# KiCad board panel.kicad_pcb
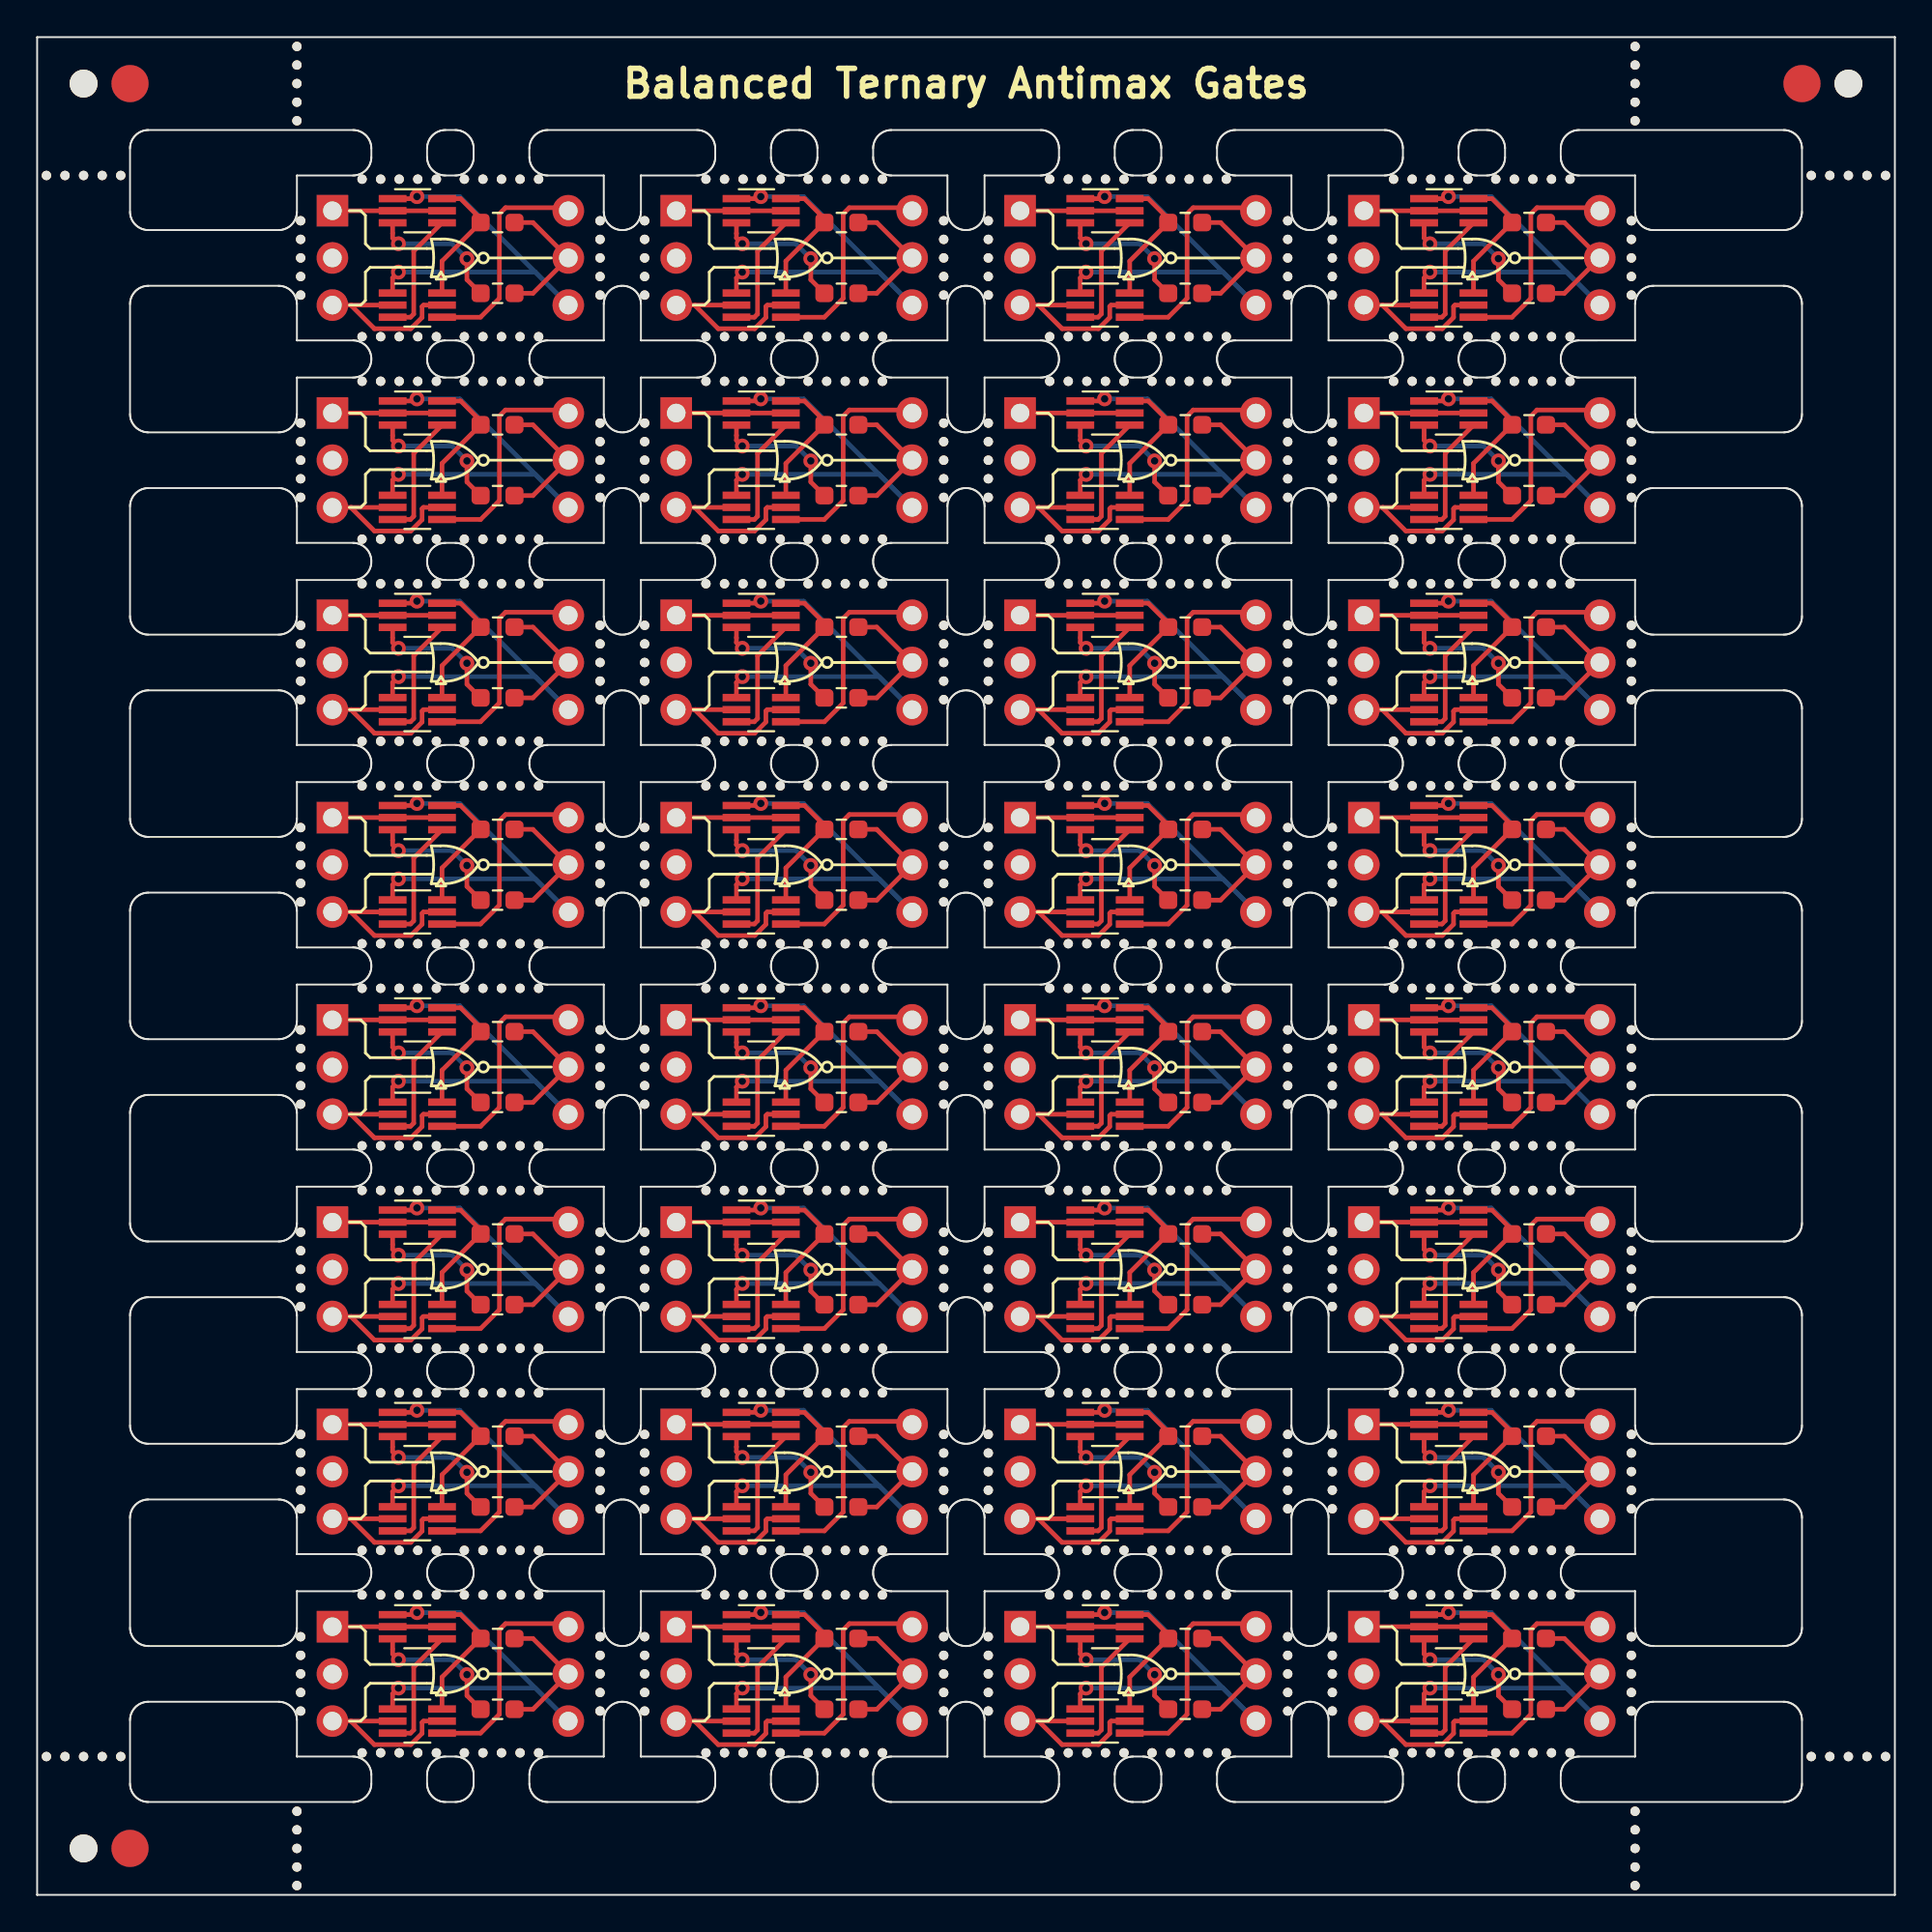
[diagram p0: board, top side]
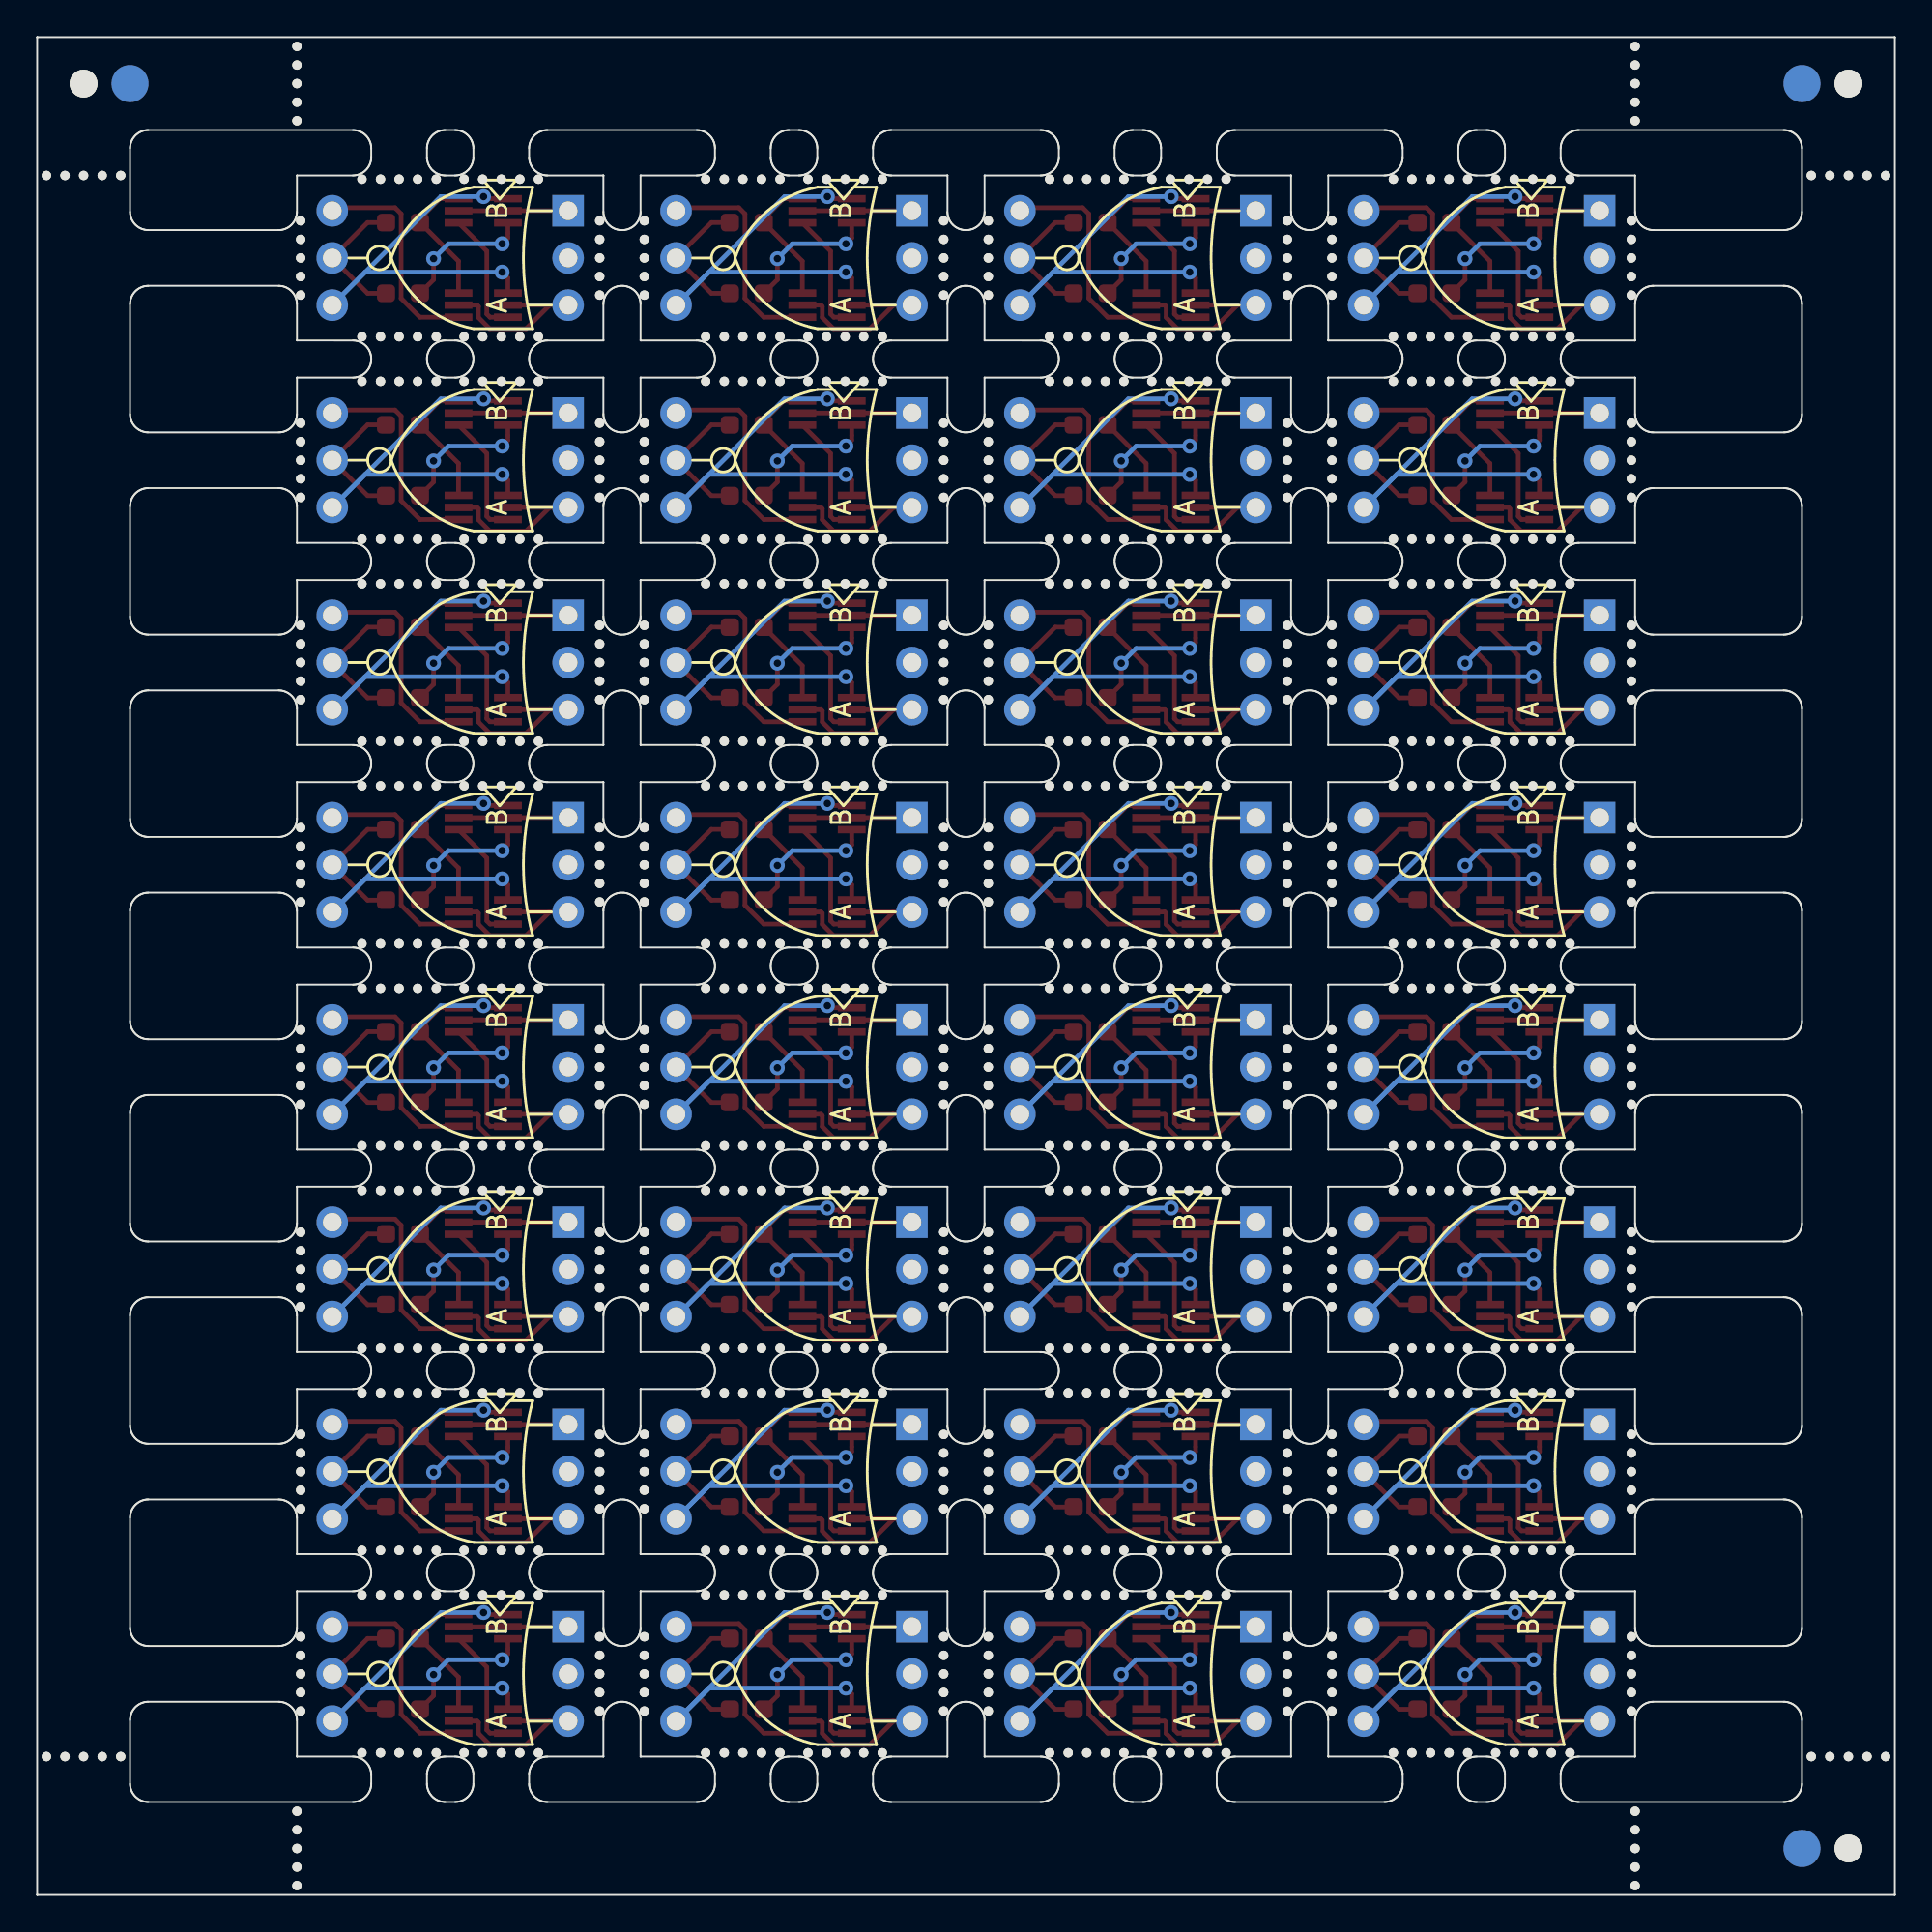
[diagram p1: board, bottom side, seen from below]

Outline 100.01 x 100.01 mm; copper layers: Top, Bottom. Coordinates in mm from the lower left corner of the outline.

## Placement (name value [footprint] x y rotation side)
J1  Conn_01x03  [PinHeader_1x03_P2.54mm_Vertical_NoSilkscreen#2]  71.42 68.89 0 top
J1#2  Conn_01x03  [PinHeader_1x03_P2.54mm_Vertical_NoSilkscreen#2]  15.89 25.33 0 top
J1#3  Conn_01x03  [PinHeader_1x03_P2.54mm_Vertical_NoSilkscreen#2]  52.92 90.67 0 top
J1#4  Conn_01x03  [PinHeader_1x03_P2.54mm_Vertical_NoSilkscreen#2]  52.92 25.33 0 top
J1#5  Conn_01x03  [PinHeader_1x03_P2.54mm_Vertical_NoSilkscreen#2]  71.42 25.33 0 top
J1#6  Conn_01x03  [PinHeader_1x03_P2.54mm_Vertical_NoSilkscreen#2]  71.42 47.11 0 top
J1#7  Conn_01x03  [PinHeader_1x03_P2.54mm_Vertical_NoSilkscreen#2]  34.41 90.67 0 top
J1#8  Conn_01x03  [PinHeader_1x03_P2.54mm_Vertical_NoSilkscreen#2]  71.42 14.44 0 top
J1#9  Conn_01x03  [PinHeader_1x03_P2.54mm_Vertical_NoSilkscreen#2]  52.92 14.44 0 top
J1#10  Conn_01x03  [PinHeader_1x03_P2.54mm_Vertical_NoSilkscreen#2]  71.42 58 0 top
J1#11  Conn_01x03  [PinHeader_1x03_P2.54mm_Vertical_NoSilkscreen#2]  52.92 58 0 top
J1#12  Conn_01x03  [PinHeader_1x03_P2.54mm_Vertical_NoSilkscreen#2]  34.41 25.33 0 top
J1#13  Conn_01x03  [PinHeader_1x03_P2.54mm_Vertical_NoSilkscreen#2]  15.89 14.44 0 top
J1#14  Conn_01x03  [PinHeader_1x03_P2.54mm_Vertical_NoSilkscreen#2]  34.41 47.11 0 top
J1#15  Conn_01x03  [PinHeader_1x03_P2.54mm_Vertical_NoSilkscreen#2]  15.89 47.11 0 top
J1#16  Conn_01x03  [PinHeader_1x03_P2.54mm_Vertical_NoSilkscreen#2]  15.89 90.67 0 top
J1#17  Conn_01x03  [PinHeader_1x03_P2.54mm_Vertical_NoSilkscreen#2]  71.42 36.22 0 top
J1#18  Conn_01x03  [PinHeader_1x03_P2.54mm_Vertical_NoSilkscreen#2]  15.89 79.78 0 top
J1#19  Conn_01x03  [PinHeader_1x03_P2.54mm_Vertical_NoSilkscreen#2]  34.41 68.89 0 top
J1#20  Conn_01x03  [PinHeader_1x03_P2.54mm_Vertical_NoSilkscreen#2]  34.41 58 0 top
J1#21  Conn_01x03  [PinHeader_1x03_P2.54mm_Vertical_NoSilkscreen#2]  15.89 36.22 0 top
J1#22  Conn_01x03  [PinHeader_1x03_P2.54mm_Vertical_NoSilkscreen#2]  34.41 36.22 0 top
J1#23  Conn_01x03  [PinHeader_1x03_P2.54mm_Vertical_NoSilkscreen#2]  52.92 47.11 0 top
J1#24  Conn_01x03  [PinHeader_1x03_P2.54mm_Vertical_NoSilkscreen#2]  52.92 36.22 0 top
J1#25  Conn_01x03  [PinHeader_1x03_P2.54mm_Vertical_NoSilkscreen#2]  34.41 79.78 0 top
J1#26  Conn_01x03  [PinHeader_1x03_P2.54mm_Vertical_NoSilkscreen#2]  52.92 68.89 0 top
J1#27  Conn_01x03  [PinHeader_1x03_P2.54mm_Vertical_NoSilkscreen#2]  15.89 58 0 top
J1#28  Conn_01x03  [PinHeader_1x03_P2.54mm_Vertical_NoSilkscreen#2]  71.42 90.67 0 top
J1#29  Conn_01x03  [PinHeader_1x03_P2.54mm_Vertical_NoSilkscreen#2]  34.41 14.44 0 top
J1#30  Conn_01x03  [PinHeader_1x03_P2.54mm_Vertical_NoSilkscreen#2]  71.42 79.78 0 top
J1#31  Conn_01x03  [PinHeader_1x03_P2.54mm_Vertical_NoSilkscreen#2]  15.89 68.89 0 top
J1#32  Conn_01x03  [PinHeader_1x03_P2.54mm_Vertical_NoSilkscreen#2]  52.92 79.78 0 top
J2  Conn_01x03  [PinHeader_1x03_P2.54mm_Vertical_NoSilkscreen]  28.59 14.44 0 top
J2#2  Conn_01x03  [PinHeader_1x03_P2.54mm_Vertical_NoSilkscreen]  84.12 79.78 0 top
J2#3  Conn_01x03  [PinHeader_1x03_P2.54mm_Vertical_NoSilkscreen]  65.61 47.11 0 top
J2#4  Conn_01x03  [PinHeader_1x03_P2.54mm_Vertical_NoSilkscreen]  28.59 79.78 0 top
J2#5  Conn_01x03  [PinHeader_1x03_P2.54mm_Vertical_NoSilkscreen]  47.1 90.67 0 top
J2#6  Conn_01x03  [PinHeader_1x03_P2.54mm_Vertical_NoSilkscreen]  47.1 25.33 0 top
J2#7  Conn_01x03  [PinHeader_1x03_P2.54mm_Vertical_NoSilkscreen]  47.1 79.78 0 top
J2#8  Conn_01x03  [PinHeader_1x03_P2.54mm_Vertical_NoSilkscreen]  65.61 14.44 0 top
J2#9  Conn_01x03  [PinHeader_1x03_P2.54mm_Vertical_NoSilkscreen]  47.1 68.89 0 top
J2#10  Conn_01x03  [PinHeader_1x03_P2.54mm_Vertical_NoSilkscreen]  47.1 47.11 0 top
J2#11  Conn_01x03  [PinHeader_1x03_P2.54mm_Vertical_NoSilkscreen]  47.1 58 0 top
J2#12  Conn_01x03  [PinHeader_1x03_P2.54mm_Vertical_NoSilkscreen]  28.59 68.89 0 top
J2#13  Conn_01x03  [PinHeader_1x03_P2.54mm_Vertical_NoSilkscreen]  28.59 58 0 top
J2#14  Conn_01x03  [PinHeader_1x03_P2.54mm_Vertical_NoSilkscreen]  84.12 36.22 0 top
J2#15  Conn_01x03  [PinHeader_1x03_P2.54mm_Vertical_NoSilkscreen]  65.61 25.33 0 top
J2#16  Conn_01x03  [PinHeader_1x03_P2.54mm_Vertical_NoSilkscreen]  65.61 36.22 0 top
J2#17  Conn_01x03  [PinHeader_1x03_P2.54mm_Vertical_NoSilkscreen]  28.59 47.11 0 top
J2#18  Conn_01x03  [PinHeader_1x03_P2.54mm_Vertical_NoSilkscreen]  28.59 36.22 0 top
J2#19  Conn_01x03  [PinHeader_1x03_P2.54mm_Vertical_NoSilkscreen]  84.12 14.44 0 top
J2#20  Conn_01x03  [PinHeader_1x03_P2.54mm_Vertical_NoSilkscreen]  84.12 47.11 0 top
J2#21  Conn_01x03  [PinHeader_1x03_P2.54mm_Vertical_NoSilkscreen]  84.12 90.67 0 top
J2#22  Conn_01x03  [PinHeader_1x03_P2.54mm_Vertical_NoSilkscreen]  47.1 36.22 0 top
J2#23  Conn_01x03  [PinHeader_1x03_P2.54mm_Vertical_NoSilkscreen]  47.1 14.44 0 top
J2#24  Conn_01x03  [PinHeader_1x03_P2.54mm_Vertical_NoSilkscreen]  65.61 68.89 0 top
J2#25  Conn_01x03  [PinHeader_1x03_P2.54mm_Vertical_NoSilkscreen]  28.59 90.67 0 top
J2#26  Conn_01x03  [PinHeader_1x03_P2.54mm_Vertical_NoSilkscreen]  28.59 25.33 0 top
J2#27  Conn_01x03  [PinHeader_1x03_P2.54mm_Vertical_NoSilkscreen]  84.12 25.33 0 top
J2#28  Conn_01x03  [PinHeader_1x03_P2.54mm_Vertical_NoSilkscreen]  84.12 68.89 0 top
J2#29  Conn_01x03  [PinHeader_1x03_P2.54mm_Vertical_NoSilkscreen]  84.12 58 0 top
J2#30  Conn_01x03  [PinHeader_1x03_P2.54mm_Vertical_NoSilkscreen]  65.61 79.78 0 top
J2#31  Conn_01x03  [PinHeader_1x03_P2.54mm_Vertical_NoSilkscreen]  65.61 90.67 0 top
J2#32  Conn_01x03  [PinHeader_1x03_P2.54mm_Vertical_NoSilkscreen]  65.61 58 0 top
Q1  BSS8402DW-7-F  [SOT-363_SC-70-6_Handsoldering]  20.47 42.03 0 top
Q1#2  BSS8402DW-7-F  [SOT-363_SC-70-6_Handsoldering]  57.49 63.81 0 top
Q1#3  BSS8402DW-7-F  [SOT-363_SC-70-6_Handsoldering]  38.98 85.59 0 top
Q1#4  BSS8402DW-7-F  [SOT-363_SC-70-6_Handsoldering]  57.49 20.25 0 top
Q1#5  BSS8402DW-7-F  [SOT-363_SC-70-6_Handsoldering]  20.47 31.14 0 top
Q1#6  BSS8402DW-7-F  [SOT-363_SC-70-6_Handsoldering]  38.98 74.7 0 top
Q1#7  BSS8402DW-7-F  [SOT-363_SC-70-6_Handsoldering]  38.98 52.92 0 top
Q1#8  BSS8402DW-7-F  [SOT-363_SC-70-6_Handsoldering]  20.47 52.92 0 top
Q1#9  BSS8402DW-7-F  [SOT-363_SC-70-6_Handsoldering]  57.49 9.36 0 top
Q1#10  BSS8402DW-7-F  [SOT-363_SC-70-6_Handsoldering]  38.98 42.03 0 top
Q1#11  BSS8402DW-7-F  [SOT-363_SC-70-6_Handsoldering]  57.49 85.59 0 top
Q1#12  BSS8402DW-7-F  [SOT-363_SC-70-6_Handsoldering]  57.49 52.92 0 top
Q1#13  BSS8402DW-7-F  [SOT-363_SC-70-6_Handsoldering]  57.49 42.03 0 top
Q1#14  BSS8402DW-7-F  [SOT-363_SC-70-6_Handsoldering]  20.47 20.25 0 top
Q1#15  BSS8402DW-7-F  [SOT-363_SC-70-6_Handsoldering]  76 31.14 0 top
Q1#16  BSS8402DW-7-F  [SOT-363_SC-70-6_Handsoldering]  38.98 20.25 0 top
Q1#17  BSS8402DW-7-F  [SOT-363_SC-70-6_Handsoldering]  20.47 74.7 0 top
Q1#18  BSS8402DW-7-F  [SOT-363_SC-70-6_Handsoldering]  38.98 9.36 0 top
Q1#19  BSS8402DW-7-F  [SOT-363_SC-70-6_Handsoldering]  20.47 9.36 0 top
Q1#20  BSS8402DW-7-F  [SOT-363_SC-70-6_Handsoldering]  57.49 31.14 0 top
Q1#21  BSS8402DW-7-F  [SOT-363_SC-70-6_Handsoldering]  76 52.92 0 top
Q1#22  BSS8402DW-7-F  [SOT-363_SC-70-6_Handsoldering]  76 9.36 0 top
Q1#23  BSS8402DW-7-F  [SOT-363_SC-70-6_Handsoldering]  38.98 63.81 0 top
Q1#24  BSS8402DW-7-F  [SOT-363_SC-70-6_Handsoldering]  38.98 31.14 0 top
Q1#25  BSS8402DW-7-F  [SOT-363_SC-70-6_Handsoldering]  76 85.59 0 top
Q1#26  BSS8402DW-7-F  [SOT-363_SC-70-6_Handsoldering]  20.47 85.59 0 top
Q1#27  BSS8402DW-7-F  [SOT-363_SC-70-6_Handsoldering]  76 42.03 0 top
Q1#28  BSS8402DW-7-F  [SOT-363_SC-70-6_Handsoldering]  57.49 74.7 0 top
Q1#29  BSS8402DW-7-F  [SOT-363_SC-70-6_Handsoldering]  76 74.7 0 top
Q1#30  BSS8402DW-7-F  [SOT-363_SC-70-6_Handsoldering]  76 20.25 0 top
Q1#31  BSS8402DW-7-F  [SOT-363_SC-70-6_Handsoldering]  76 63.81 0 top
Q1#32  BSS8402DW-7-F  [SOT-363_SC-70-6_Handsoldering]  20.47 63.81 0 top
Q2  BSS8402DW-7-F  [SOT-363_SC-70-6_Handsoldering]  38.98 14.44 0 top
Q2#2  BSS8402DW-7-F  [SOT-363_SC-70-6_Handsoldering]  20.47 14.44 0 top
Q2#3  BSS8402DW-7-F  [SOT-363_SC-70-6_Handsoldering]  57.49 90.67 0 top
Q2#4  BSS8402DW-7-F  [SOT-363_SC-70-6_Handsoldering]  57.49 68.89 0 top
Q2#5  BSS8402DW-7-F  [SOT-363_SC-70-6_Handsoldering]  38.98 47.11 0 top
Q2#6  BSS8402DW-7-F  [SOT-363_SC-70-6_Handsoldering]  20.47 68.89 0 top
Q2#7  BSS8402DW-7-F  [SOT-363_SC-70-6_Handsoldering]  20.47 79.78 0 top
Q2#8  BSS8402DW-7-F  [SOT-363_SC-70-6_Handsoldering]  57.49 58 0 top
Q2#9  BSS8402DW-7-F  [SOT-363_SC-70-6_Handsoldering]  20.47 25.33 0 top
Q2#10  BSS8402DW-7-F  [SOT-363_SC-70-6_Handsoldering]  38.98 79.78 0 top
Q2#11  BSS8402DW-7-F  [SOT-363_SC-70-6_Handsoldering]  76 14.44 0 top
Q2#12  BSS8402DW-7-F  [SOT-363_SC-70-6_Handsoldering]  38.98 90.67 0 top
Q2#13  BSS8402DW-7-F  [SOT-363_SC-70-6_Handsoldering]  76 79.78 0 top
Q2#14  BSS8402DW-7-F  [SOT-363_SC-70-6_Handsoldering]  57.49 14.44 0 top
Q2#15  BSS8402DW-7-F  [SOT-363_SC-70-6_Handsoldering]  20.47 90.67 0 top
Q2#16  BSS8402DW-7-F  [SOT-363_SC-70-6_Handsoldering]  76 90.67 0 top
Q2#17  BSS8402DW-7-F  [SOT-363_SC-70-6_Handsoldering]  76 68.89 0 top
Q2#18  BSS8402DW-7-F  [SOT-363_SC-70-6_Handsoldering]  57.49 79.78 0 top
Q2#19  BSS8402DW-7-F  [SOT-363_SC-70-6_Handsoldering]  76 47.11 0 top
Q2#20  BSS8402DW-7-F  [SOT-363_SC-70-6_Handsoldering]  57.49 47.11 0 top
Q2#21  BSS8402DW-7-F  [SOT-363_SC-70-6_Handsoldering]  20.47 58 0 top
Q2#22  BSS8402DW-7-F  [SOT-363_SC-70-6_Handsoldering]  76 58 0 top
Q2#23  BSS8402DW-7-F  [SOT-363_SC-70-6_Handsoldering]  20.47 36.22 0 top
Q2#24  BSS8402DW-7-F  [SOT-363_SC-70-6_Handsoldering]  76 36.22 0 top
Q2#25  BSS8402DW-7-F  [SOT-363_SC-70-6_Handsoldering]  38.98 68.89 0 top
Q2#26  BSS8402DW-7-F  [SOT-363_SC-70-6_Handsoldering]  76 25.33 0 top
Q2#27  BSS8402DW-7-F  [SOT-363_SC-70-6_Handsoldering]  20.47 47.11 0 top
Q2#28  BSS8402DW-7-F  [SOT-363_SC-70-6_Handsoldering]  38.98 58 0 top
Q2#29  BSS8402DW-7-F  [SOT-363_SC-70-6_Handsoldering]  38.98 36.22 0 top
Q2#30  BSS8402DW-7-F  [SOT-363_SC-70-6_Handsoldering]  38.98 25.33 0 top
Q2#31  BSS8402DW-7-F  [SOT-363_SC-70-6_Handsoldering]  57.49 36.22 0 top
Q2#32  BSS8402DW-7-F  [SOT-363_SC-70-6_Handsoldering]  57.49 25.33 0 top
R1  12k  [R_0603_1608Metric_Pad0.98x0.95mm_HandSolder]  61.81 42.66 0 top
R1#2  12k  [R_0603_1608Metric_Pad0.98x0.95mm_HandSolder]  80.31 42.66 0 top
R1#3  12k  [R_0603_1608Metric_Pad0.98x0.95mm_HandSolder]  24.78 20.88 0 top
R1#4  12k  [R_0603_1608Metric_Pad0.98x0.95mm_HandSolder]  80.31 20.88 0 top
R1#5  12k  [R_0603_1608Metric_Pad0.98x0.95mm_HandSolder]  61.81 9.99 0 top
R1#6  12k  [R_0603_1608Metric_Pad0.98x0.95mm_HandSolder]  43.3 20.88 0 top
R1#7  12k  [R_0603_1608Metric_Pad0.98x0.95mm_HandSolder]  61.81 20.88 0 top
R1#8  12k  [R_0603_1608Metric_Pad0.98x0.95mm_HandSolder]  43.3 9.99 0 top
R1#9  12k  [R_0603_1608Metric_Pad0.98x0.95mm_HandSolder]  61.81 75.33 0 top
R1#10  12k  [R_0603_1608Metric_Pad0.98x0.95mm_HandSolder]  24.78 42.66 0 top
R1#11  12k  [R_0603_1608Metric_Pad0.98x0.95mm_HandSolder]  61.81 64.44 0 top
R1#12  12k  [R_0603_1608Metric_Pad0.98x0.95mm_HandSolder]  43.3 75.33 0 top
R1#13  12k  [R_0603_1608Metric_Pad0.98x0.95mm_HandSolder]  80.31 86.22 0 top
R1#14  12k  [R_0603_1608Metric_Pad0.98x0.95mm_HandSolder]  24.78 86.22 0 top
R1#15  12k  [R_0603_1608Metric_Pad0.98x0.95mm_HandSolder]  43.3 42.66 0 top
R1#16  12k  [R_0603_1608Metric_Pad0.98x0.95mm_HandSolder]  24.78 53.55 0 top
R1#17  12k  [R_0603_1608Metric_Pad0.98x0.95mm_HandSolder]  61.81 53.55 0 top
R1#18  12k  [R_0603_1608Metric_Pad0.98x0.95mm_HandSolder]  61.81 31.77 0 top
R1#19  12k  [R_0603_1608Metric_Pad0.98x0.95mm_HandSolder]  24.78 9.99 0 top
R1#20  12k  [R_0603_1608Metric_Pad0.98x0.95mm_HandSolder]  80.31 75.33 0 top
R1#21  12k  [R_0603_1608Metric_Pad0.98x0.95mm_HandSolder]  43.3 31.77 0 top
R1#22  12k  [R_0603_1608Metric_Pad0.98x0.95mm_HandSolder]  24.78 64.44 0 top
R1#23  12k  [R_0603_1608Metric_Pad0.98x0.95mm_HandSolder]  43.3 86.22 0 top
R1#24  12k  [R_0603_1608Metric_Pad0.98x0.95mm_HandSolder]  43.3 64.44 0 top
R1#25  12k  [R_0603_1608Metric_Pad0.98x0.95mm_HandSolder]  80.31 31.77 0 top
R1#26  12k  [R_0603_1608Metric_Pad0.98x0.95mm_HandSolder]  61.81 86.22 0 top
R1#27  12k  [R_0603_1608Metric_Pad0.98x0.95mm_HandSolder]  43.3 53.55 0 top
R1#28  12k  [R_0603_1608Metric_Pad0.98x0.95mm_HandSolder]  24.78 31.77 0 top
R1#29  12k  [R_0603_1608Metric_Pad0.98x0.95mm_HandSolder]  80.31 64.44 0 top
R1#30  12k  [R_0603_1608Metric_Pad0.98x0.95mm_HandSolder]  80.31 53.55 0 top
R1#31  12k  [R_0603_1608Metric_Pad0.98x0.95mm_HandSolder]  80.31 9.99 0 top
R1#32  12k  [R_0603_1608Metric_Pad0.98x0.95mm_HandSolder]  24.78 75.33 0 top
R2  12k  [R_0603_1608Metric_Pad0.98x0.95mm_HandSolder]  24.78 35.58 180 top
R2#2  12k  [R_0603_1608Metric_Pad0.98x0.95mm_HandSolder]  43.3 68.25 180 top
R2#3  12k  [R_0603_1608Metric_Pad0.98x0.95mm_HandSolder]  43.3 90.03 180 top
R2#4  12k  [R_0603_1608Metric_Pad0.98x0.95mm_HandSolder]  43.3 24.69 180 top
R2#5  12k  [R_0603_1608Metric_Pad0.98x0.95mm_HandSolder]  43.3 57.36 180 top
R2#6  12k  [R_0603_1608Metric_Pad0.98x0.95mm_HandSolder]  80.31 24.69 180 top
R2#7  12k  [R_0603_1608Metric_Pad0.98x0.95mm_HandSolder]  24.78 24.69 180 top
R2#8  12k  [R_0603_1608Metric_Pad0.98x0.95mm_HandSolder]  61.81 35.58 180 top
R2#9  12k  [R_0603_1608Metric_Pad0.98x0.95mm_HandSolder]  24.78 13.8 180 top
R2#10  12k  [R_0603_1608Metric_Pad0.98x0.95mm_HandSolder]  43.3 79.14 180 top
R2#11  12k  [R_0603_1608Metric_Pad0.98x0.95mm_HandSolder]  24.78 57.36 180 top
R2#12  12k  [R_0603_1608Metric_Pad0.98x0.95mm_HandSolder]  43.3 35.58 180 top
R2#13  12k  [R_0603_1608Metric_Pad0.98x0.95mm_HandSolder]  24.78 46.47 180 top
R2#14  12k  [R_0603_1608Metric_Pad0.98x0.95mm_HandSolder]  43.3 13.8 180 top
R2#15  12k  [R_0603_1608Metric_Pad0.98x0.95mm_HandSolder]  80.31 90.03 180 top
R2#16  12k  [R_0603_1608Metric_Pad0.98x0.95mm_HandSolder]  24.78 90.03 180 top
R2#17  12k  [R_0603_1608Metric_Pad0.98x0.95mm_HandSolder]  80.31 35.58 180 top
R2#18  12k  [R_0603_1608Metric_Pad0.98x0.95mm_HandSolder]  80.31 79.14 180 top
R2#19  12k  [R_0603_1608Metric_Pad0.98x0.95mm_HandSolder]  24.78 68.25 180 top
R2#20  12k  [R_0603_1608Metric_Pad0.98x0.95mm_HandSolder]  80.31 13.8 180 top
R2#21  12k  [R_0603_1608Metric_Pad0.98x0.95mm_HandSolder]  80.31 68.25 180 top
R2#22  12k  [R_0603_1608Metric_Pad0.98x0.95mm_HandSolder]  61.81 90.03 180 top
R2#23  12k  [R_0603_1608Metric_Pad0.98x0.95mm_HandSolder]  80.31 46.47 180 top
R2#24  12k  [R_0603_1608Metric_Pad0.98x0.95mm_HandSolder]  24.78 79.14 180 top
R2#25  12k  [R_0603_1608Metric_Pad0.98x0.95mm_HandSolder]  61.81 79.14 180 top
R2#26  12k  [R_0603_1608Metric_Pad0.98x0.95mm_HandSolder]  61.81 24.69 180 top
R2#27  12k  [R_0603_1608Metric_Pad0.98x0.95mm_HandSolder]  61.81 46.47 180 top
R2#28  12k  [R_0603_1608Metric_Pad0.98x0.95mm_HandSolder]  61.81 57.36 180 top
R2#29  12k  [R_0603_1608Metric_Pad0.98x0.95mm_HandSolder]  61.81 13.8 180 top
R2#30  12k  [R_0603_1608Metric_Pad0.98x0.95mm_HandSolder]  80.31 57.36 180 top
R2#31  12k  [R_0603_1608Metric_Pad0.98x0.95mm_HandSolder]  43.3 46.47 180 top
R2#32  12k  [R_0603_1608Metric_Pad0.98x0.95mm_HandSolder]  61.81 68.25 180 top
REF**  -  [NPTH]  32.7 21.79 0 top
REF**#2  -  [NPTH]  69.72 75.24 0 top
REF**#3  -  [NPTH]  23 72.99 0 top
REF**#4  -  [NPTH]  30.3 77.24 0 top
REF**#5  -  [NPTH]  14.18 33.68 0 top
REF**#6  -  [NPTH]  85.83 24.79 0 top
REF**#7  -  [NPTH]  69.72 9.9 0 top
REF**#8  -  [NPTH]  74.03 48.81 0 top
REF**#9  -  [NPTH]  17.49 70.59 0 top
REF**#10  -  [NPTH]  44.51 29.43 0 top
REF**#11  -  [NPTH]  2.5 92.57 0 top
REF**#12  -  [NPTH]  56.51 7.65 0 top
REF**#13  -  [NPTH]  77.03 83.89 0 top
REF**#14  -  [NPTH]  82.53 29.43 0 top
REF**#15  -  [NPTH]  41.51 92.37 0 top
REF**#16  -  [NPTH]  48.8 31.68 0 top
REF**#17  -  [NPTH]  85.83 87.13 0 top
REF**#18  -  [NPTH]  13.98 4.5 0 top
REF**#19  -  [NPTH]  85.83 34.68 0 top
REF**#20  -  [NPTH]  14.18 13.9 0 top
REF**#21  -  [NPTH]  79.53 92.37 0 top
REF**#22  -  [NPTH]  42.51 48.81 0 top
REF**#23  -  [NPTH]  48.8 23.79 0 top
REF**#24  -  [NPTH]  51.2 43.57 0 top
REF**#25  -  [NPTH]  69.72 66.35 0 top
REF**#26  -  [NPTH]  67.33 12.9 0 top
REF**#27  -  [NPTH]  18.49 48.81 0 top
REF**#28  -  [NPTH]  21.49 27.03 0 top
REF**#29  -  [NPTH]  54.51 16.15 0 top
REF**#30  -  [NPTH]  64.02 18.55 0 top
REF**#31  -  [NPTH]  48.8 76.24 0 top
REF**#32  -  [NPTH]  73.03 27.03 0 top
REF**#33  -  [NPTH]  51.2 24.79 0 top
REF**#34  -  [NPTH]  54.51 40.33 0 top
REF**#35  -  [NPTH]  85.83 86.13 0 top
REF**#36  -  [NPTH]  61.02 92.37 0 top
REF**#37  -  [NPTH]  85.83 64.35 0 top
REF**#38  -  [NPTH]  69.72 13.9 0 top
REF**#39  -  [NPTH]  37.01 59.71 0 top
REF**#40  -  [NPTH]  79.53 27.03 0 top
REF**#41  -  [NPTH]  73.03 83.89 0 top
REF**#42  -  [NPTH]  14.18 87.13 0 top
REF**#43  -  [NPTH]  63.02 81.49 0 top
REF**#44  -  [NPTH]  24 16.15 0 top
REF**#45  -  [NPTH]  38.01 92.37 0 top
REF**#46  -  [NPTH]  67.33 9.9 0 top
REF**#47  -  [NPTH]  48.8 33.68 0 top
REF**#48  -  [NPTH]  85.83 35.68 0 top
REF**#49  -  [NPTH]  64.02 59.71 0 top
REF**#50  -  [NPTH]  85.83 75.24 0 top
REF**#51  -  [NPTH]  39.01 18.55 0 top
REF**#52  -  [NPTH]  58.51 51.21 0 top
REF**#53  -  [NPTH]  18.49 29.43 0 top
REF**#54  -  [NPTH]  58.51 18.55 0 top
REF**#55  -  [NPTH]  25 40.33 0 top
REF**#56  -  [NPTH]  67.33 56.46 0 top
REF**#57  -  [NPTH]  61.02 27.03 0 top
REF**#58  -  [NPTH]  30.3 90.13 0 top
REF**#59  -  [NPTH]  61.02 37.93 0 top
REF**#60  -  [NPTH]  43.51 48.81 0 top
REF**#61  -  [NPTH]  74.03 59.71 0 top
REF**#62  -  [NPTH]  77.03 37.93 0 top
REF**#63  -  [NPTH]  69.72 79.24 0 top
REF**#64  -  [NPTH]  19.49 59.71 0 top
REF**#65  -  [NPTH]  67.33 89.13 0 top
REF**#66  -  [NPTH]  42.51 62.11 0 top
REF**#67  -  [NPTH]  40.01 27.03 0 top
REF**#68  -  [NPTH]  57.51 62.11 0 top
REF**#69  -  [NPTH]  45.51 62.11 0 top
REF**#70  -  [NPTH]  85.83 13.9 0 top
REF**#71  -  [NPTH]  36.01 29.43 0 top
REF**#72  -  [NPTH]  85.83 44.57 0 top
REF**#73  -  [NPTH]  14.18 55.46 0 top
REF**#74  -  [NPTH]  17.49 59.71 0 top